# Altium PCB JacdacKeycapButtonBc30 135.PcbDoc
Units mm, origin at the board's own origin, x right, y up, seen from the top; angles counter-clockwise.
Board outline 28 x 18 mm, 2 copper layers (Top Layer, Bottom Layer), stack 1.525 mm thick; 19 components, 10 nets, 96 pads, 11 vias.
Unrouted connection lines stored in the file: 10.
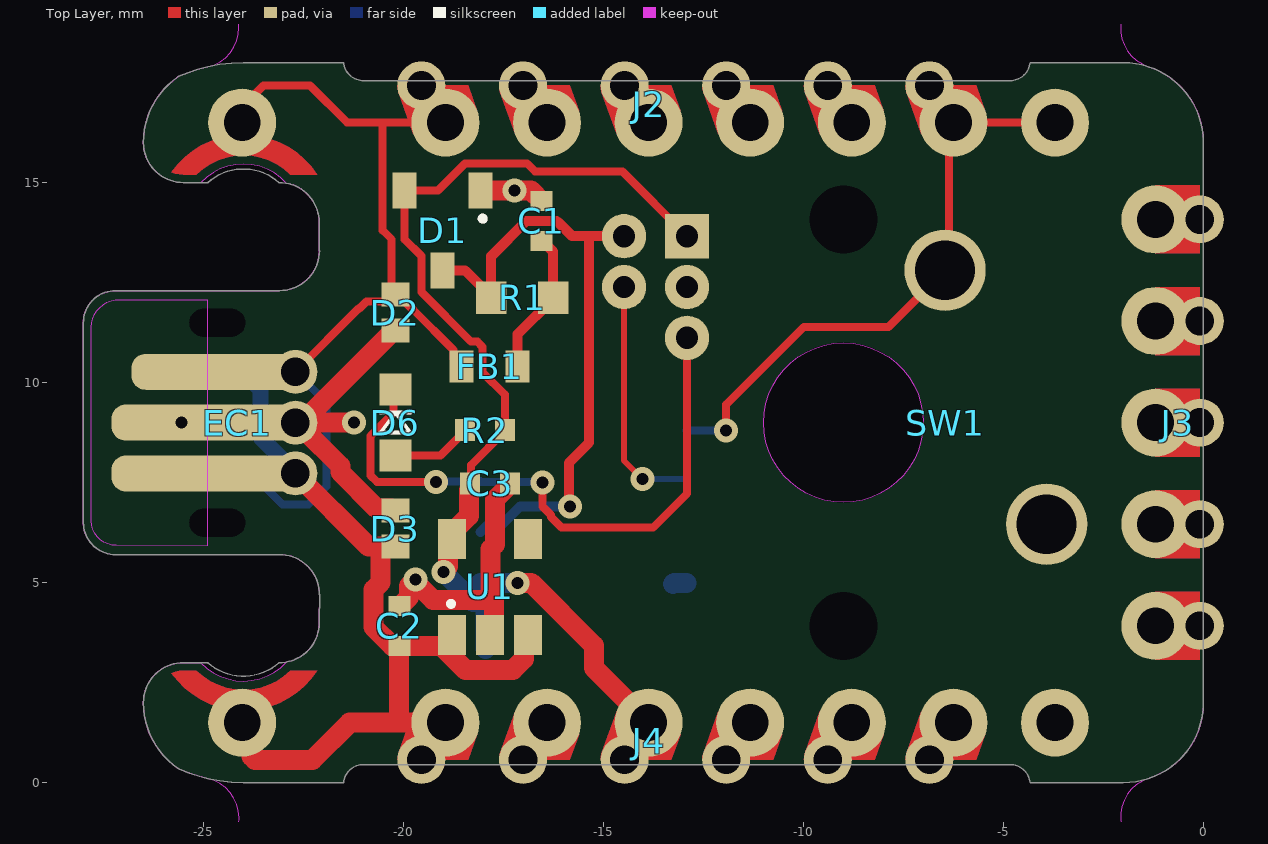
[diagram p0: Top Layer view]
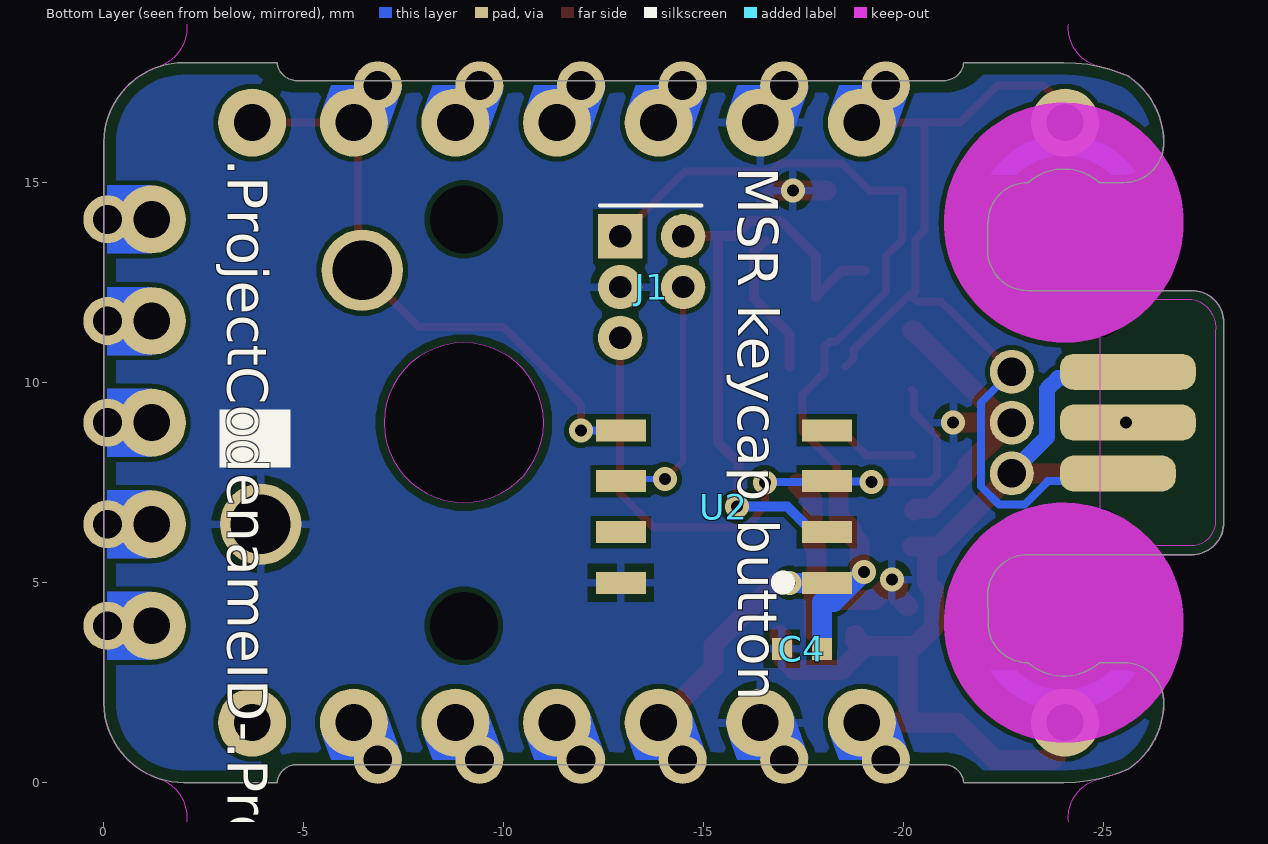
[diagram p1: Bottom Layer view, seen from below]

## Layer stack, top to bottom
Top Solder: solder mask 0.0102, Solder Resist, Dk 3.5
Top Layer: signal copper 0.0356
Dielectric 1: core 1.454, FR-4, Dk 4.2
Bottom Layer: signal copper 0.0356
Bottom Solder: solder mask 0.0102, Solder Resist, Dk 3.5

## Board outline
-26.5,2 ccw(c-24.5,2) -25.627,0.348 -25.627,0.346 ccw(c-24,4) -24.889,0.1 ccw(c-24,4) -24,0 -21.497,0 cw(c-21,-0.05) -21,0.45 -4.83,0.45 cw(c-4.83,-0.05) -4.333,0 -2,0 ccw(c-2,2) -1.382,0.098 ccw(c-2,2) 0,2 0,16 ccw(c-2,16) -1.382,17.902 ccw(c-2,16) -2,18 -4.333,18 cw(c-4.83,18.05) -4.83,17.55 -21,17.55 cw(c-21,18.05) -21.497,18 -24,18 ccw(c-24,14) -24.889,17.9 ccw(c-24,14) -25.627,17.654 -25.627,17.652 ccw(c-24.5,16) -26.5,16 ccw(c-25.5,16) -25.5,15 -24.892,15 cw(c-24,14) -23.108,15 cw(c-23.099,14.007) -22.106,14.007 -22.1,14 -22.1,13.3 -22.098,13.3 cw(c-23.098,13.3) -23.098,12.3 -23.1,12.3 -27.2,12.3 ccw(c-27.2,11.5) -28,11.5 -28,6.5 ccw(c-27.2,6.5) -27.2,5.7 -23.1,5.7 cw(c-23.1,4.7) -22.1,4.7 -22.096,4.704 -22.106,3.993 cw(c-23.099,3.993) -23.108,3 cw(c-24,4) -24.892,3 -25.5,3 ccw(c-25.5,2)
cut-out: -30,-0.875 ccw(c-29,-0.875) -29,-1.875 -25.111,-1.875 ccw(c-25.111,-0.875) -24.111,-0.875 ccw(c-25.111,-0.875) -24.891,0.101 cw(c-24,4) -25.625,0.345 -25.663,0.374 cw(c-24.5,2) -26.5,2 cw(c-25.5,2) -25.5,3 -25.064,3 ccw(c-24,4) -22.921,3.016 ccw(c-23.1,4) -22.1,4 -22.102,4.066 -22.097,4.692 -22.097,4.7 ccw(c-23.097,4.7) -23.106,5.7 -27.198,5.7 -27.203,5.7 cw(c-27.2,6.5) -28,6.491 -28,11.507 cw(c-27.2,11.5) -27.2,12.3 -23.1,12.3 ccw(c-23.1,13.3) -22.099,13.3 -22.099,13.301 -22.1,14.001 -22.1,14.022 ccw(c-23.1,14.002) -22.923,14.987 ccw(c-24,14) -25.064,15.001 -25.501,15 cw(c-25.5,16) -26.5,16 cw(c-24.5,16) -25.663,17.626 -25.627,17.654 cw(c-24,14.001) -24.891,17.899 ccw(c-25.111,18.875) -24.111,18.875 ccw(c-25.111,18.875) -25.111,19.875 -29,19.875 ccw(c-29,18.875) -30,18.875
cut-out: -1.382,0.098 ccw(c-1.073,-0.853) -1.073,-1.854 1,-1.854 ccw(c1,-0.853) 2,-0.853 2,2 2,16 2,18.853 ccw(c1,18.853) 1,19.854 -1.073,19.854 ccw(c-1.073,18.853) -1.382,17.902 cw(c-2,16) 0,16.011 0,16 0,2 0,1.99 cw(c-2,2)

## Design rules (kind name [scope] priority, off if disabled: settings)
AssemblyTestPointUsage [All] p1: valid=2
BoardOutlineClearance [Not (OnLayer('Component Keepout'))] p1: gap=0.3 ignorepadtopadclearanceinfootprint=FALSE except(0: Arc-SplitContinuation Track-SplitContinuation SMDPad-SplitContinuation THPad-SplitContinuation Via-SplitContinuation Fill-SplitContinuation Poly-SplitContinuation Region-OutlineEdge Region-SplitContinuation Text-OutlineEdge Text-SplitContinuation; 0.2: Track-OutlineEdge Fill-CavityEdge Fill-CutoutEdge Fill-SplitBarrior Poly-CavityEdge Poly-CutoutEdge Poly-SplitBarrior Text-CavityEdge Text-CutoutEdge Text-SplitBarrior; 0.25: SMDPad-OutlineEdge)
Clearance [All] p1: gap=0.125 ignorepadtopadclearanceinfootprint=FALSE except(0: Arc-Hole Track-Hole SMDPad-Hole THPad-Hole Via-Hole Fill-Hole Poly-Hole Region-Hole Text-Hole)
ComponentClearance [All] p1: gap=0.1 collisioncheckmode=3 verticalgap=0.254 showdistances=FALSE
DiffPairsRouting [All] p1: maxlimit=2 minlimit=0.15 mostfreqgap=0.15 toplayer_minwidth=0.15 toplayer_maxwidth=2 toplayer_prefwidth=0.15 bottomlayer_minwidth=0.15 bottomlayer_maxwidth=2 bottomlayer_prefwidth=0.15 substack1={CB9D278B-8BF5-444A-AAF4-837A2A9DF42D} toplayer_{cb9d278b-8bf5-444a-aaf4-837a2a9df42d}_minwidth=0.381 toplayer_{cb9d278b-8bf5-444a-aaf4-837a2a9df42d}_maxwidth=0.381 toplayer_{cb9d278b-8bf5-444a-aaf4-837a2a9df42d}_prefwidth=0.381 bottomlayer_{cb9d278b-8bf5-444a-aaf4-837a2a9df42d}_minwidth=0.381 bottomlayer_{cb9d278b-8bf5-444a-aaf4-837a2a9df42d}_maxwidth=0.381 bottomlayer_{cb9d278b-8bf5-444a-aaf4-837a2a9df42d}_prefwidth=0.381 substack2={826B8647-A721-4255-895A-19F9591B9CD1} toplayer_{826b8647-a721-4255-895a-19f9591b9cd1}_minwidth=0.381 toplayer_{826b8647-a721-4255-895a-19f9591b9cd1}_maxwidth=0.381 toplayer_{826b8647-a721-4255-895a-19f9591b9cd1}_prefwidth=0.381 bottomlayer_{826b8647-a721-4255-895a-19f9591b9cd1}_minwidth=0.381 bottomlayer_{826b8647-a721-4255-895a-19f9591b9cd1}_maxwidth=0.381 bottomlayer_{826b8647-a721-4255-895a-19f9591b9cd1}_prefwidth=0.381 substack3={E64FCAF4-1BC8-437D-B1E0-0E5F2DC0F59E} toplayer_{e64fcaf4-1bc8-437d-b1e0-0e5f2dc0f59e}_minwidth=0.381 toplayer_{e64fcaf4-1bc8-437d-b1e0-0e5f2dc0f59e}_maxwidth=0.381 toplayer_{e64fcaf4-1bc8-437d-b1e0-0e5f2dc0f59e}_prefwidth=0.381 bottomlayer_{e64fcaf4-1bc8-437d-b1e0-0e5f2dc0f59e}_minwidth=0.381 bottomlayer_{e64fcaf4-1bc8-437d-b1e0-0e5f2dc0f59e}_maxwidth=0.381 bottomlayer_{e64fcaf4-1bc8-437d-b1e0-0e5f2dc0f59e}_prefwidth=0.381 substack4={E61CE66C-507C-4E1E-8E83-C905434AFC1C} toplayer_{e61ce66c-507c-4e1e-8e83-c905434afc1c}_minwidth=0.381 toplayer_{e61ce66c-507c-4e1e-8e83-c905434afc1c}_maxwidth=0.381 toplayer_{e61ce66c-507c-4e1e-8e83-c905434afc1c}_prefwidth=0.381 bottomlayer_{e61ce66c-507c-4e1e-8e83-c905434afc1c}_minwidth=0.381 bottomlayer_{e61ce66c-507c-4e1e-8e83-c905434afc1c}_maxwidth=0.381 bottomlayer_{e61ce66c-507c-4e1e-8e83-c905434afc1c}_prefwidth=0.381 maxuncoupledlength=25
FabricationTestPointUsage [All] p1: valid=2 allowmultiple=FALSE
HoleSize [All] p1: absolutevalues=TRUE maxlimit=3.1 minlimit=0.2 maxpercent=80.000 minpercent=20.000
MinimumSolderMaskSliver [All] p1: minsoldermaskwidth=0.005
PasteMaskExpansion [All] p1: expansion=-0.075 percent=-35.000000
PlaneClearance [All] p1: clearance=0.3
PlaneConnect [All] p1: planeconnectstyle=Relief reliefexpansion=0.5 reliefentries=4 reliefconductorwidth=0.2 reliefairgap=0.3
PolygonConnect "PolygonConnect GND" [isVIA] p1: connectstyle=Relief reliefconductorwidth=0.2 reliefentries=4 polygonreliefangle="90 Angle" airgapwidth=0.2
PolygonConnect [All] p2: connectstyle=Relief reliefconductorwidth=0.2 reliefentries=4 polygonreliefangle="90 Angle" airgapwidth=0.2
RoutingVias [All] p1: holewidth=0.3 width=0.6 viastyle="Through Hole" minholewidth=0.3 minwidth=0.6 maxholewidth=0.5 maxwidth=0.8
SilkToSilkClearance [All] p1: silktosilkclearance=0.001
SilkToSolderMaskClearance [IsPad] p1: minsilkscreentomaskgap=0.05 clearancetoexposedcopper=TRUE
SolderMaskExpansion [All] p1: expansion=0.075 istentingtop=FALSE
Width [All] p1: maxlimit=2 minlimit=0.15 preferedwidth=0.15 substack1={CB9D278B-8BF5-444A-AAF4-837A2A9DF42D} substack2={826B8647-A721-4255-895A-19F9591B9CD1} substack3={E64FCAF4-1BC8-437D-B1E0-0E5F2DC0F59E} substack4={E61CE66C-507C-4E1E-8E83-C905434AFC1C} minimp=50.000000 maximp=50.000000 favimp=50.000000
19 further rules are at their usual default settings.

## Components (designator, comment, footprint, x,y, rotation, side; value= is the part's Value field where it differs from the comment)
C1 "CL05C330JB5NNNC" "C0402_0.55MM - without outline" -16.549,14.041 r270 top
C2 "CL05A105KP5NNNC" "C0402_0.55MM - without outline" -20.1,3.92 r270 top
C3 "CL05A105KP5NNNC" "C0402_0.55MM - without outline" -17.836,7.479 r180 top
C4 "CL05A105KP5NNNC" "C0402_0.55MM - without outline" -17.449,3.343 r180 bottom
D1 "BAT54S" "NXP-BAT54S-TO-236AB - WITHOUT OUTLINE" -19.018,13.8 r270 top
D2 "RCLAMP0521P-N" "TVS 0402 - XL" -20.2,11.75 r270 top
D3 "RCLAMP0521P-N" "TVS 0402 - XL" -20.2,6.35 r90 top
D6 "Everlight Elec'''" "0603 Orange - without outline" -20.2,9 r270 top
EC1 "3 pin JACDAC edge connector" JACDAC_EDGE_CONNECTOR_NO_TRACES_3D_PADS -22.15,9 r90 top
FB1 "TDK MPZ1608S102ATA00" "TDK MPZ1608 0.8mm - without outline" -17.845,10.398 r0 top
J1 "Hack Connect Mini 1.27 mm pitch 2-row" HACK_CONNECT_MINI_5_X_1_27_0.559mm_TH -12.91,13.66 r0 bottom
J2 "0.1\"" "Jacdac BC30 stamp holes 20mm top x8" -22.7,9 r0 top
J3 "BC30 stamp holes" "Jacdac BC30 stamp holes 10mm right x5" -22.7,9 r0 top
J4 "0.1\"" "Jacdac BC30 stamp holes 20mm bottom x8" -22.7,9 r0 top
R1 "220R" RC0603 -17.032,12.125 r0 top
R2 "RC0402FR-071KL" "R0402 - Without outline" -17.962,8.812 r0 top
SW1 "Mechanical keyboard mount" MX1A-11NW -9,9 r270 top
U1 "LDO 3.3V/300 mA" "ON_SEMI-SOT23-5 - WITHOUT OUTLINE" -17.836,4.895 r90 top
U2 "PFS122-S08" SOP-8 -15.5,6.9 r0 bottom

## Footprints (in the part's own frame and the unit in brackets; to place one, negate y for a bottom-side part, rotate by r counter-clockwise, add the part's x,y. Pads: shape width x height; smd on the part's side, far side on the other; paste and mask are expansions set on the pad)
"0603 Orange - without outline" [mm]
  rect 0.8x0.8 smd paste-0.05: 1(-0.825,0) 2(0.825,0)
  silkscreen extent -0.25,-0.38 0.25,0.38, body extent -0.8,-0.4 0.8,0.4, height 0.54
"C0402_0.55MM - without outline" [mm]
  rect 0.5x0.55 smd: 1(-0.5,0) 2(0.5,0)
  body extent -0.5,-0.25 0.5,0.25, height 0.55
HACK_CONNECT_MINI_5_X_1_27_0.559mm_TH [mm] "50mil by 62mil pitch 22mil TH"
  rect 1.11x1.11 hole 0.559: 1(0,0)
  round 1.11 hole 0.559: 2(-1.575,0) 3(0,1.27) 4(-1.575,1.27) 5(0,2.54)
  silkscreen extent -2.03,-0.76 0.51,-0.76
"Jacdac BC30 stamp holes 10mm right x5" [mm] "2.54mm pitch stamp holes for SMT or TH header"
  round 1.7 hole 0.92 mask+0.1: R1(21.5,-5.08) R2(21.5,-2.54) R3(21.5,0) R4(21.5,2.54) R5(21.5,5.08)
  round 1.2 hole 0.72 mask+0.1: R1(22.61,-5.08) R2(22.61,-2.54) R3(22.61,0) R4(22.61,2.54) R5(22.61,5.08)
  Top Layer region: 21.5,1.69 21.5,2.07 21.704,2.117 21.867,2.247 21.958,2.435 21.958,2.645 21.867,2.833 21.704,2.963 21.5,3.01 21.5,3.01 21.5,3.39 22.61,3.39 22.61,2.9 22.454,2.864 22.329,2.764 22.259,2.62 22.259,2.46 22.329,2.316 22.454,2.216 22.61,2.18 22.61,2.18 22.61,1.69
  Top Layer region: 21.5,-0.85 21.5,-0.47 21.704,-0.423 21.867,-0.293 21.958,-0.105 21.958,0.105 21.867,0.293 21.704,0.423 21.5,0.47 21.5,0.47 21.5,0.85 22.61,0.85 22.61,0.36 22.454,0.324 22.329,0.224 22.259,0.08 22.259,-0.08 22.329,-0.224 22.454,-0.324 22.61,-0.36 22.61,-0.36 22.61,-0.85
  Top Layer region: 21.5,-3.39 21.5,-3.01 21.704,-2.963 21.867,-2.833 21.958,-2.645 21.958,-2.435 21.867,-2.247 21.704,-2.117 21.5,-2.07 21.5,-2.07 21.5,-1.69 22.61,-1.69 22.61,-2.18 22.454,-2.216 22.329,-2.316 22.259,-2.46 22.259,-2.62 22.329,-2.764 22.454,-2.864 22.61,-2.9 22.61,-2.9 22.61,-3.39
  Top Layer region: 21.5,-5.93 21.5,-5.55 21.704,-5.503 21.867,-5.373 21.958,-5.185 21.958,-4.975 21.867,-4.787 21.704,-4.657 21.5,-4.61 21.5,-4.61 21.5,-4.23 22.61,-4.23 22.61,-4.72 22.454,-4.756 22.329,-4.856 22.259,-5 22.259,-5.16 22.329,-5.304 22.454,-5.404 22.61,-5.44 22.61,-5.44 22.61,-5.93
  Top Layer region: 21.5,4.23 21.5,4.61 21.704,4.657 21.867,4.787 21.958,4.975 21.958,5.185 21.867,5.373 21.704,5.503 21.5,5.55 21.5,5.55 21.5,5.93 22.61,5.93 22.61,5.44 22.454,5.404 22.329,5.304 22.259,5.16 22.259,5 22.329,4.856 22.454,4.756 22.61,4.72 22.61,4.72 22.61,4.23
  Bottom Layer region: 21.5,1.69 21.5,2.07 21.704,2.117 21.867,2.247 21.958,2.435 21.958,2.645 21.867,2.833 21.704,2.963 21.5,3.01 21.5,3.01 21.5,3.39 22.61,3.39 22.61,2.9 22.454,2.864 22.329,2.764 22.259,2.62 22.259,2.46 22.329,2.316 22.454,2.216 22.61,2.18 22.61,2.18 22.61,1.69
  Bottom Layer region: 21.5,-0.85 21.5,-0.47 21.704,-0.423 21.867,-0.293 21.958,-0.105 21.958,0.105 21.867,0.293 21.704,0.423 21.5,0.47 21.5,0.47 21.5,0.85 22.61,0.85 22.61,0.36 22.454,0.324 22.329,0.224 22.259,0.08 22.259,-0.08 22.329,-0.224 22.454,-0.324 22.61,-0.36 22.61,-0.36 22.61,-0.85
  Bottom Layer region: 21.5,-3.39 21.5,-3.01 21.704,-2.963 21.867,-2.833 21.958,-2.645 21.958,-2.435 21.867,-2.247 21.704,-2.117 21.5,-2.07 21.5,-2.07 21.5,-1.69 22.61,-1.69 22.61,-2.18 22.454,-2.216 22.329,-2.316 22.259,-2.46 22.259,-2.62 22.329,-2.764 22.454,-2.864 22.61,-2.9 22.61,-2.9 22.61,-3.39
  Bottom Layer region: 21.5,-5.93 21.5,-5.55 21.704,-5.503 21.867,-5.373 21.958,-5.185 21.958,-4.975 21.867,-4.787 21.704,-4.657 21.5,-4.61 21.5,-4.61 21.5,-4.23 22.61,-4.23 22.61,-4.72 22.454,-4.756 22.329,-4.856 22.259,-5 22.259,-5.16 22.329,-5.304 22.454,-5.404 22.61,-5.44 22.61,-5.44 22.61,-5.93
  Bottom Layer region: 21.5,4.23 21.5,4.61 21.704,4.657 21.867,4.787 21.958,4.975 21.958,5.185 21.867,5.373 21.704,5.503 21.5,5.55 21.5,5.55 21.5,5.93 22.61,5.93 22.61,5.44 22.454,5.404 22.329,5.304 22.259,5.16 22.259,5 22.329,4.856 22.454,4.756 22.61,4.72 22.61,4.72 22.61,4.23
  body extent 20.65,-5.93 22.62,5.93, height 0.01
"Jacdac BC30 stamp holes 20mm bottom x8" [mm] "2.54mm pitch stamp holes for SMT or TH header"
  round 1.7 hole 0.92 mask+0.1: 1(-1.33,-7.5) 5(3.75,-7.5) 7(6.29,-7.5) 9(8.83,-7.5) 11(11.37,-7.5) 13(13.91,-7.5) 15(16.45,-7.5) 17(18.99,-7.5)
  round 1.2 hole 0.72 mask+0.1: 5(3.15,-8.43) 7(5.69,-8.43) 9(8.23,-8.43) 11(10.77,-8.43) 13(13.31,-8.43) 15(15.85,-8.43)
  Top Layer region: 17.251,-7.786 16.893,-7.658 16.78,-7.835 16.602,-7.945 16.394,-7.967 16.197,-7.896 16.05,-7.747 15.983,-7.55 16.007,-7.342 16.007,-7.342 15.649,-7.214 15.271,-8.272 15.255,-8.35 15.25,-8.43 15.25,-8.43 15.49,-8.43 15.526,-8.274 15.626,-8.149 15.77,-8.079 15.93,-8.079 16.074,-8.149 16.174,-8.274 16.21,-8.43 16.21,-8.43 17.019,-8.43
  Top Layer region: 14.711,-7.786 14.353,-7.658 14.24,-7.835 14.062,-7.945 13.854,-7.967 13.657,-7.896 13.51,-7.747 13.443,-7.55 13.467,-7.342 13.467,-7.342 13.109,-7.214 12.731,-8.272 12.715,-8.35 12.71,-8.43 12.71,-8.43 12.95,-8.43 12.986,-8.274 13.086,-8.149 13.23,-8.079 13.39,-8.079 13.534,-8.149 13.634,-8.274 13.67,-8.43 13.67,-8.43 14.479,-8.43
  Top Layer region: 12.171,-7.786 11.813,-7.658 11.7,-7.835 11.522,-7.945 11.314,-7.967 11.117,-7.896 10.97,-7.747 10.903,-7.55 10.927,-7.342 10.927,-7.342 10.569,-7.214 10.191,-8.272 10.175,-8.35 10.17,-8.43 10.17,-8.43 10.41,-8.43 10.446,-8.274 10.546,-8.149 10.69,-8.079 10.85,-8.079 10.994,-8.149 11.094,-8.274 11.13,-8.43 11.13,-8.43 11.939,-8.43
  Top Layer region: 9.631,-7.786 9.273,-7.658 9.16,-7.835 8.982,-7.945 8.774,-7.967 8.577,-7.896 8.43,-7.747 8.363,-7.55 8.387,-7.342 8.387,-7.342 8.029,-7.214 7.651,-8.272 7.635,-8.35 7.63,-8.43 7.63,-8.43 7.87,-8.43 7.906,-8.274 8.006,-8.149 8.15,-8.079 8.31,-8.079 8.454,-8.149 8.554,-8.274 8.59,-8.43 8.59,-8.43 9.399,-8.43
  Top Layer region: 4.551,-7.786 4.193,-7.658 4.08,-7.835 3.902,-7.945 3.694,-7.967 3.497,-7.896 3.35,-7.747 3.283,-7.55 3.307,-7.342 3.307,-7.342 2.949,-7.214 2.571,-8.272 2.555,-8.35 2.55,-8.43 2.55,-8.43 2.79,-8.43 2.826,-8.274 2.926,-8.149 3.07,-8.079 3.23,-8.079 3.374,-8.149 3.474,-8.274 3.51,-8.43 3.51,-8.43 4.319,-8.43
  Top Layer region: 7.091,-7.786 6.733,-7.658 6.62,-7.835 6.442,-7.945 6.234,-7.967 6.037,-7.896 5.89,-7.747 5.823,-7.55 5.847,-7.342 5.847,-7.342 5.489,-7.214 5.111,-8.272 5.095,-8.35 5.09,-8.43 5.09,-8.43 5.33,-8.43 5.366,-8.274 5.466,-8.149 5.61,-8.079 5.77,-8.079 5.914,-8.149 6.014,-8.274 6.05,-8.43 6.05,-8.43 6.859,-8.43
  Bottom Layer region: 17.251,-7.786 16.893,-7.658 16.78,-7.835 16.602,-7.945 16.394,-7.967 16.197,-7.896 16.05,-7.747 15.983,-7.55 16.007,-7.342 16.007,-7.342 15.649,-7.214 15.271,-8.272 15.255,-8.35 15.25,-8.43 15.25,-8.43 15.49,-8.43 15.526,-8.274 15.626,-8.149 15.77,-8.079 15.93,-8.079 16.074,-8.149 16.174,-8.274 16.21,-8.43 16.21,-8.43 17.019,-8.43
  Bottom Layer region: 14.711,-7.786 14.353,-7.658 14.24,-7.835 14.062,-7.945 13.854,-7.967 13.657,-7.896 13.51,-7.747 13.443,-7.55 13.467,-7.342 13.467,-7.342 13.109,-7.214 12.731,-8.272 12.715,-8.35 12.71,-8.43 12.71,-8.43 12.95,-8.43 12.986,-8.274 13.086,-8.149 13.23,-8.079 13.39,-8.079 13.534,-8.149 13.634,-8.274 13.67,-8.43 13.67,-8.43 14.479,-8.43
  Bottom Layer region: 12.171,-7.786 11.813,-7.658 11.7,-7.835 11.522,-7.945 11.314,-7.967 11.117,-7.896 10.97,-7.747 10.903,-7.55 10.927,-7.342 10.927,-7.342 10.569,-7.214 10.191,-8.272 10.175,-8.35 10.17,-8.43 10.17,-8.43 10.41,-8.43 10.446,-8.274 10.546,-8.149 10.69,-8.079 10.85,-8.079 10.994,-8.149 11.094,-8.274 11.13,-8.43 11.13,-8.43 11.939,-8.43
  Bottom Layer region: 9.631,-7.786 9.273,-7.658 9.16,-7.835 8.982,-7.945 8.774,-7.967 8.577,-7.896 8.43,-7.747 8.363,-7.55 8.387,-7.342 8.387,-7.342 8.029,-7.214 7.651,-8.272 7.635,-8.35 7.63,-8.43 7.63,-8.43 7.87,-8.43 7.906,-8.274 8.006,-8.149 8.15,-8.079 8.31,-8.079 8.454,-8.149 8.554,-8.274 8.59,-8.43 8.59,-8.43 9.399,-8.43
  Bottom Layer region: 4.551,-7.786 4.193,-7.658 4.08,-7.835 3.902,-7.945 3.694,-7.967 3.497,-7.896 3.35,-7.747 3.283,-7.55 3.307,-7.342 3.307,-7.342 2.949,-7.214 2.571,-8.272 2.555,-8.35 2.55,-8.43 2.55,-8.43 2.79,-8.43 2.826,-8.274 2.926,-8.149 3.07,-8.079 3.23,-8.079 3.374,-8.149 3.474,-8.274 3.51,-8.43 3.51,-8.43 4.319,-8.43
  Bottom Layer region: 7.091,-7.786 6.733,-7.658 6.62,-7.835 6.442,-7.945 6.234,-7.967 6.037,-7.896 5.89,-7.747 5.823,-7.55 5.847,-7.342 5.847,-7.342 5.489,-7.214 5.111,-8.272 5.095,-8.35 5.09,-8.43 5.09,-8.43 5.33,-8.43 5.366,-8.274 5.466,-8.149 5.61,-8.079 5.77,-8.079 5.914,-8.149 6.014,-8.274 6.05,-8.43 6.05,-8.43 6.859,-8.43
  body extent -2.19,-8.44 19.85,-6.64, height 0
"Jacdac BC30 stamp holes 20mm top x8" [mm] "2.54mm pitch stamp holes for SMT or TH header"
  round 1.7 hole 0.92 mask+0.1: 2(-1.33,7.5) 6(3.75,7.5) 8(6.29,7.5) 10(8.83,7.5) 12(11.37,7.5) 14(13.91,7.5) 16(16.45,7.5) 18(18.99,7.5)
  round 1.2 hole 0.72 mask+0.1: 6(3.15,8.43) 8(5.69,8.43) 10(8.23,8.43) 12(10.77,8.43) 14(13.31,8.43) 16(15.85,8.43)
  Top Layer region: 17.251,7.786 16.893,7.658 16.78,7.835 16.602,7.945 16.394,7.967 16.197,7.896 16.05,7.747 15.983,7.55 16.007,7.342 16.007,7.342 15.649,7.214 15.271,8.272 15.255,8.35 15.25,8.43 15.25,8.43 15.49,8.43 15.526,8.274 15.626,8.149 15.77,8.079 15.93,8.079 16.074,8.149 16.174,8.274 16.21,8.43 16.21,8.43 17.019,8.43
  Top Layer region: 14.711,7.786 14.353,7.658 14.24,7.835 14.062,7.945 13.854,7.967 13.657,7.896 13.51,7.747 13.443,7.55 13.467,7.342 13.467,7.342 13.109,7.214 12.731,8.272 12.715,8.35 12.71,8.43 12.71,8.43 12.95,8.43 12.986,8.274 13.086,8.149 13.23,8.079 13.39,8.079 13.534,8.149 13.634,8.274 13.67,8.43 13.67,8.43 14.479,8.43
  Top Layer region: 12.171,7.786 11.813,7.658 11.7,7.835 11.522,7.945 11.314,7.967 11.117,7.896 10.97,7.747 10.903,7.55 10.927,7.342 10.927,7.342 10.569,7.214 10.191,8.272 10.175,8.35 10.17,8.43 10.17,8.43 10.41,8.43 10.446,8.274 10.546,8.149 10.69,8.079 10.85,8.079 10.994,8.149 11.094,8.274 11.13,8.43 11.13,8.43 11.939,8.43
  Top Layer region: 9.631,7.786 9.273,7.658 9.16,7.835 8.982,7.945 8.774,7.967 8.577,7.896 8.43,7.747 8.363,7.55 8.387,7.342 8.387,7.342 8.029,7.214 7.651,8.272 7.635,8.35 7.63,8.43 7.63,8.43 7.87,8.43 7.906,8.274 8.006,8.149 8.15,8.079 8.31,8.079 8.454,8.149 8.554,8.274 8.59,8.43 8.59,8.43 9.399,8.43
  Top Layer region: 4.551,7.786 4.193,7.658 4.08,7.835 3.902,7.945 3.694,7.967 3.497,7.896 3.35,7.747 3.283,7.55 3.307,7.342 3.307,7.342 2.949,7.214 2.571,8.272 2.555,8.35 2.55,8.43 2.55,8.43 2.79,8.43 2.826,8.274 2.926,8.149 3.07,8.079 3.23,8.079 3.374,8.149 3.474,8.274 3.51,8.43 3.51,8.43 4.319,8.43
  Top Layer region: 7.091,7.786 6.733,7.658 6.62,7.835 6.442,7.945 6.234,7.967 6.037,7.896 5.89,7.747 5.823,7.55 5.847,7.342 5.847,7.342 5.489,7.214 5.111,8.272 5.095,8.35 5.09,8.43 5.09,8.43 5.33,8.43 5.366,8.274 5.466,8.149 5.61,8.079 5.77,8.079 5.914,8.149 6.014,8.274 6.05,8.43 6.05,8.43 6.859,8.43
  Bottom Layer region: 17.251,7.786 16.893,7.658 16.78,7.835 16.602,7.945 16.394,7.967 16.197,7.896 16.05,7.747 15.983,7.55 16.007,7.342 16.007,7.342 15.649,7.214 15.271,8.272 15.255,8.35 15.25,8.43 15.25,8.43 15.49,8.43 15.526,8.274 15.626,8.149 15.77,8.079 15.93,8.079 16.074,8.149 16.174,8.274 16.21,8.43 16.21,8.43 17.019,8.43
  Bottom Layer region: 14.711,7.786 14.353,7.658 14.24,7.835 14.062,7.945 13.854,7.967 13.657,7.896 13.51,7.747 13.443,7.55 13.467,7.342 13.467,7.342 13.109,7.214 12.731,8.272 12.715,8.35 12.71,8.43 12.71,8.43 12.95,8.43 12.986,8.274 13.086,8.149 13.23,8.079 13.39,8.079 13.534,8.149 13.634,8.274 13.67,8.43 13.67,8.43 14.479,8.43
  Bottom Layer region: 12.171,7.786 11.813,7.658 11.7,7.835 11.522,7.945 11.314,7.967 11.117,7.896 10.97,7.747 10.903,7.55 10.927,7.342 10.927,7.342 10.569,7.214 10.191,8.272 10.175,8.35 10.17,8.43 10.17,8.43 10.41,8.43 10.446,8.274 10.546,8.149 10.69,8.079 10.85,8.079 10.994,8.149 11.094,8.274 11.13,8.43 11.13,8.43 11.939,8.43